# Altium PCB MB1801.PcbDoc (part 1 of 2) (continued)
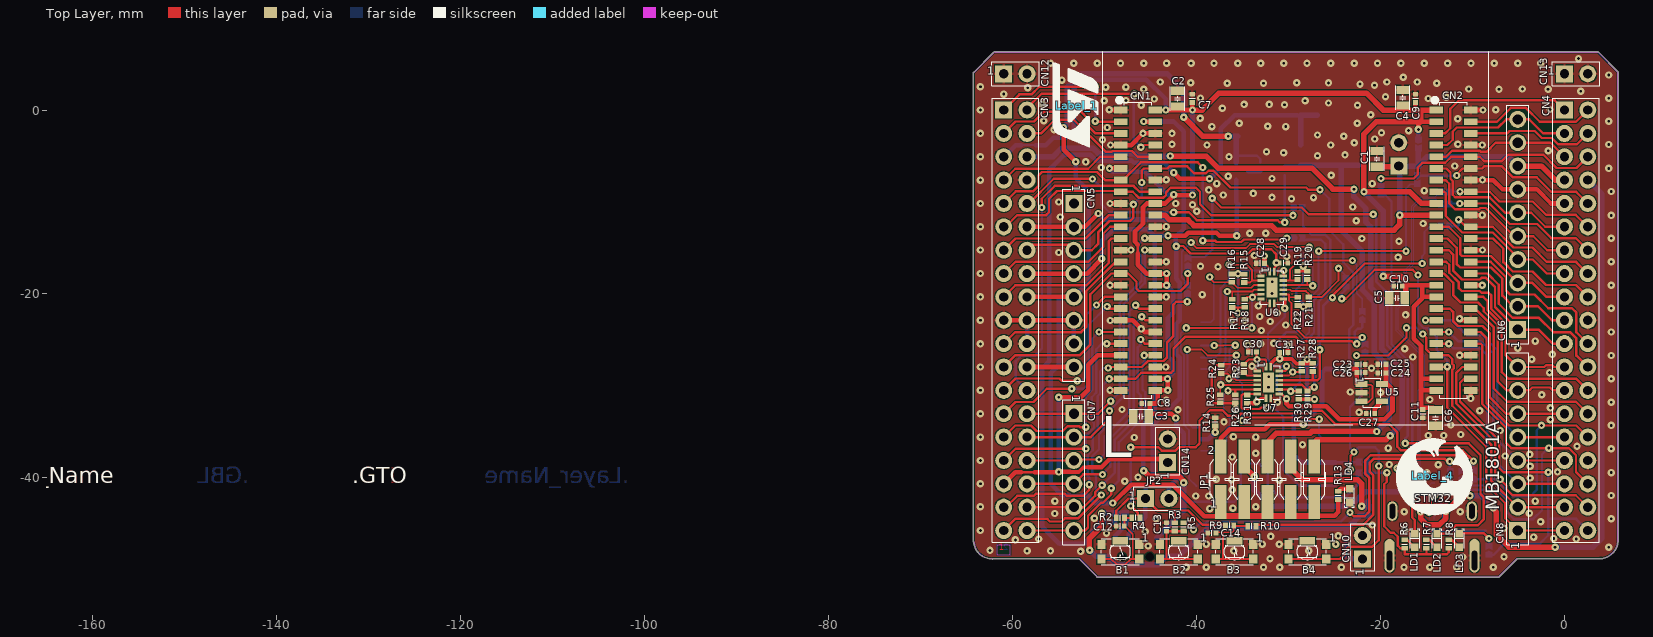
[diagram p0: Top Layer view]
## Footprints (in the part's own frame and the unit in brackets; to place one, negate y for a bottom-side part, rotate by r counter-clockwise, add the part's x,y. Pads: shape width x height; smd on the part's side, far side on the other; paste and mask are expansions set on the pad) (continued)
  silkscreen extent -0.9,-0.8 0.9,0.8, body extent -0.9,-0.8 0.9,0.8, height 0.56
ICC_DFN6-EPAD_3X3_P095 [mm]
  rect 0.45x0.5 smd mask+0.05: 1(-0.95,-1.3) 2(0,-1.3) 3(0.95,-1.3) 4(0.95,1.3) 5(0,1.3) 6(-0.95,1.3)
  rect 2.5x1.7 smd mask+0.05: EP(0,0)
  silkscreen extent -1.55,-1.55 1.55,1.55, body extent -1.55,-1.55 1.55,1.55, height 1
ICC_DHVQFN16-EPAD_SOT763-1_2P5X3P5_H0P85_P050 [mm] "MCD-01945"
  rect 0.3x0.8 smd mask+0.05: 1(-0.25,1.7) 8(-0.25,-1.7) 9(0.25,-1.7) 16(0.25,1.7)
  rect 0.8x0.3 smd mask+0.05: 2(-1.2,1.25) 3(-1.2,0.75) 4(-1.2,0.25) 5(-1.2,-0.25) 6(-1.2,-0.75) 7(-1.2,-1.25) 10(1.2,-1.25) 11(1.2,-0.75) 12(1.2,-0.25) 13(1.2,0.25) 14(1.2,0.75) 15(1.2,1.25)
  rect 1.2x2.2 smd mask+0.05: 17(0,0)
  silkscreen extent -1.3,-1.8 1.3,1.8, body extent -1.31,-1.81 1.31,1.81, height 1.01
LED_0603_VISHAY_VLMB1300-GS08_BLUE_1A2K_H0P8 [mm]
  rect 0.8x0.8 smd mask+0.05: 1(-0.75,0) 2(0.75,0)
  silkscreen extent -0.85,-0.53 1.28,0.53, body extent -0.85,-0.45 0.85,0.45, height 0.8
LED_0603_VISHAY_VLMS1300-GS08_RED_1A2K_H0P8 [mm]
  rect 0.8x0.8 smd mask+0.05: 1(-0.75,0) 2(0.75,0)
  silkscreen extent -0.85,-0.53 1.28,0.53, body extent -0.85,-0.45 0.85,0.45, height 0.8
LED_0603_VISHAY_VLMTG1300-GS08_GREEN_1A2K_H0P8 [mm]
  rect 0.8x0.8 smd mask+0.05: 1(-0.75,0) 2(0.75,0)
  silkscreen extent -0.85,-0.53 1.28,0.53, body extent -0.85,-0.45 0.85,0.45, height 0.8
"LOGO CE" [mm]
  silkscreen extent -3.27,-3.31 4.33,3.3
"LOGO ESD" [mm]
  silkscreen extent -3.23,-2.59 3.66,3.68
LOGO_ST_Size3 [mm]
  silkscreen extent -4.5,-2.36 4.7,2.57
LOGO_STM32 [mm]
  silkscreen extent -3.9,-4.23 4.33,3.95
MOD_STLINK-V3M_MB1467_TYPEC [mm] "STLINK-V3MODS, MB1467 with reserved area to be compatible with Type-C version"
  rect 1.9x1.07 smd paste+0 mask+0.05: 1(7.32,-9.525) 2(7.32,-8.255) 3(7.32,-6.985) 4(7.32,-5.715) 5(7.32,-4.445) 6(7.32,-3.175) 7(7.32,-1.905) 8(7.32,-0.635) 9(7.32,0.635) 10(7.32,1.905) 11(7.32,3.175) 12(7.32,4.445) 13(7.32,5.715) 14(7.32,6.985) 15(7.32,8.255) 16(7.32,9.525) 17(-7.32,9.525) 18(-7.32,8.255) 19(-7.32,6.985) 20(-7.32,5.715) 21(-7.32,4.445) 22(-7.32,3.175) 23(-7.32,1.905) 24(-7.32,0.635) 25(-7.32,-0.635) 26(-7.32,-1.905) 27(-7.32,-3.175) 28(-7.32,-4.445) 29(-7.32,-5.715) 30(-7.32,-6.985) 31(-7.32,-8.255) 32(-7.32,-9.525)
  silkscreen extent -7.62,-20.53 7.62,16.54, body extent -7.62,-20.98 7.62,16.56, height 4.23
PCB_SPECIFICATIONS [mm]
R0402 [mm]
  rect 0.51x0.7 smd mask+0.05: 1(-0.45,0) 2(0.45,0)
  silkscreen extent 0,-0.3 0,0.3, body extent -0.52,-0.3 0.52,0.3, height 0.4
REG_SOT23-5L [mm]
  rect 0.6x1.3 smd mask+0.05: 1(-0.95,-1.1) 2(0,-1.1) 3(0.95,-1.1) 4(0.95,1.1) 5(-0.95,1.1)
  silkscreen extent -1.6,-0.95 1.6,0.97, body extent -1.52,-1.25 1.52,1.25, height 1.1
REG_SOT223-TAB [mm]
  rect 1.5x1.65 smd mask+0.05: 1(-2.3,-3.175) 2(0,-3.175) 3(2.3,-3.175)
  rect 3.5x1.65 smd mask+0.05: 4(0,3.175)
  silkscreen extent -3.35,-2.15 3.35,2.12, body extent -3.35,-3.48 3.35,3.48, height 1.8
Sheetbox_2L2S [mil] "Sheetbox 2 layers / 2 silkscreens"
  round 20 on Mech16: 1(813.78,210.69) 1(2736.9,210.69)
SOLDER-BRIDGE_R0402-0R [mil] "MCD-01619"
  round 10 smd paste-393.7: 1(-17.72,0) 2(20.67,0)
  Top Layer region: 1.48,13.78 8.37,0 1.48,-13.78 30.51,-13.78 30.51,13.78
  Top Layer region: -30.51,-13.78 -30.51,13.78 -8.37,13.78 -1.48,0 -8.37,-13.78
  silkscreen extent -33,-17 33,17, body extent -20,-12 20,12, height 14
STICKER_BOARD_25X5 [mm] "Sticker to mention board reference + serial number"
  silkscreen extent -12.5,-2.5 12.5,2.5, body extent -12.5,-2.5 12.5,2.5, height 0.01
SWI_C&K_Y78B23110FP__ITT_KMR231GLFS [mm] "MCD-00715"
  rect 0.9x1 smd mask+0.05: 1(2.05,0.8) 2(2.05,-0.8) 3(-2.05,0.8) 4(-2.05,-0.8)
  rect 1.7x0.8 smd mask+0.05: 5(0,1.2)
  silkscreen extent -2.05,-1.43 2.05,1.43, body extent -2.3,-1.5 2.3,1.5, height 2.1
SWI_SPDT-RA_TE-CONNECTIVITY_MLL1200S_1P2T [mm] "MCD-02081"
  rect 1x0.8 smd mask+0.05: 0(-3.75,-1.15) 0(-3.75,1.15) 0(3.75,-1.15) 0(3.75,1.15)
  rect 0.7x1.1 smd mask+0.05: 1(-2.25,2.05) 2(0.75,2.05) 3(2.25,2.05)
  round 0 hole 0.9 unplated mask+0.05: NPTH1(-1.5,0) NPTH2(1.5,0)
  silkscreen extent -3.5,-2.9 3.5,1.4, body extent -3.85,-2.9 3.85,2.24, height 1.75

## Part data
B1 B2 B3 B4: library part MCD-01485, "Microminiature Tact Switch for SMT - KMR 2 Series - 1.9 mm height", Manufacturer=C&K, Manufacturer_Part_Number=KMR231GLFS, Component_Country_Of_Origin=France, ComponentLink1URL=http://tunmcdsvn.tun.st.com/Component_Datasheet_Library/Trunk/Misc/C&K_tactile_switch_KMR_series, Internal_Part_Number=MCD-01485, Part_Preference=Recommended, Part_Type=Misc, Status=Released
C1 C2 C3 C4 C5 C6 C19 C21: library part MCD-01550, "Capacitor, MLCC, 1uF, 16V, X5R, +/-10%, 0805, T=0.85mm", Manufacturer=YAGEO, Manufacturer_Part_Number=CC0805KRX5R7BB105, Package=0805, Component_Country_Of_Origin=China, ComponentLink1URL=http://tunmcdsvn.tun.st.com/Component_Documentation_Library/Trunk/Capacitor/YAGEO_X5R_Series, Internal_Part_Number=MCD-01550, Order_Code_Digikey=311-3427-1-ND, Order_Code_Farnell=N/A, Order_Code_RS=N/A, Part_Preference=Recommended, Part_Type=Capacitor, Status=Released
C7 C8 C9 C10 C11 C18 C20 C22 C25 C26 C27 C28 C29 C30 C31: library part MCD-02355, "Capacitor, MLCC, 100nF, 25V, X7R, +/-10%, 0402, T=0.5mm", Manufacturer=WALSIN, Manufacturer_Part_Number=0402B104K250CT, Package=0402, Component_Country_Of_Origin=Unknown, ComponentLink1URL=http://tunmcdsvn.tun.st.com/Component_Documentation_Library/Trunk/Capacitor/WALSIN_Monolithic_Series/, Internal_Part_Number=MCD-02355, Order_Code_Digikey=1292-1175-1-ND, Order_Code_Farnell=2496772, Order_Code_RS=176-3114, Part_Preference=Recommended, Part_Type=Capacitor, Status=Checked
C12 C13 C14: library part MCD-02198, "Capacitor, MLCC, 10nF, 50V, X7R, +/-10%, 0402, T=0.5mm", Manufacturer=YAGEO, Manufacturer_Part_Number=CC0402KRX7R9BB103, Package=0402, Component_Country_Of_Origin=China, ComponentLink1URL=http://tunmcdsvn.tun.st.com/Component_Documentation_Library/Trunk/Capacitor/YAGEO_X7R_Series, Internal_Part_Number=MCD-02198, Order_Code_Digikey=N/A, Order_Code_Farnell=N/A, Order_Code_RS=6169644, Part_Preference=Recommended, Part_Type=Capacitor, Status=Checked
C15: library part MCD-00205, "Capacitor, MLCC, 100pF, 50V, NPO, +/-5%, 0402, T=0.5mm", Manufacturer=YAGEO, Manufacturer_Part_Number=CC0402JRNPO9BN101, Package=0402, Component_Country_Of_Origin=China, ComponentLink1URL=http://tunmcdsvn.tun.st.com/Component_Documentation_Library/Trunk/Capacitor/YAGEO_NP0_Series, Internal_Part_Number=MCD-00205, Order_Code_Digikey=311-1024-1-ND, Order_Code_Farnell=3019226RL, Order_Code_RS=N/A, Part_Preference=Recommended, Part_Type=Capacitor, Status=Released
C16 C17: library part MCD-00324, "Capacitor, Tantalum, 10uF, 25V, 2R5, +/-10%, Type_B (3528 metric), T=1.9mm", Manufacturer=AVX, Manufacturer_Part_Number=TAJB106K025RNJ, Package="3528 (metric)", Component_Country_Of_Origin="El Salvador", ComponentLink1URL=http://tunmcdsvn.tun.st.com/Component_Documentation_Library/Trunk/Capacitor/AVX_TAJ_Series, Internal_Part_Number=MCD-00324, Order_Code_Digikey=478-5257-1-ND, Order_Code_Farnell=2333024, Order_Code_RS=136-0159, Part_Preference=Recommended, Part_Type=Capacitor, Revision="July-2002: Re-released for DXP Platform.", Status=Released
C23 C24: library part MCD-01722, "Capacitor, MLCC, 1uF, 10V, X5R, +/-10%, 0402, T=0.5mm", Manufacturer=YAGEO, Manufacturer_Part_Number=CC0402KRX5R6BB105, Package=0402, Component_Country_Of_Origin=China, ComponentLink1URL=http://tunmcdsvn.tun.st.com/Component_Documentation_Library/Trunk/Capacitor/YAGEO_X5R_Series, Internal_Part_Number=MCD-01722, Order_Code_Digikey=311-1439-1-ND, Order_Code_Farnell=1458896, Order_Code_RS=N/A, Part_Preference=Recommended, Part_Type=Capacitor, Status=Released
CN1 CN2: library part MCD-02705, "Socket 25x2, 1.27mm, SMT, Height 2.29mm", Manufacturer=SAMTEC, ComponentLink1URL=http://tunmcdsvn.tun.st.com/Component_Documentation_Library/Trunk/Connector/SAMTEC_CLP_Series/, Internal_Part_Number=MCD-02705, Manufacturer_Part_Number=CLP-125-02-F-D, Order_Code_Digikey=SAM1153-25-ND, Order_Code_Farnell=2779411, Order_Code_RS=180-3642, Package=CLP-125-02-F-D, Part_Preference=Recommended, Part_Type=Connector, Status=New
CN3 CN4: library part MCD-00213, "Header, 19x2, 2.54mm, VR, TH, T=5.84mm/10.16mm", Manufacturer=SAMTEC, Manufacturer_Part_Number=TSW-119-09-G-D, Component_Country_Of_Origin="China, Costa Rica, Malaysia, United States, Vietnam", ComponentLink1URL=http://tunmcdsvn.tun.st.com/Component_Documentation_Library/Trunk/Connector/SAMTEC_TSW_Series/, Internal_Part_Number=MCD-00213, Order_Code_Digikey=TSW-119-09-G-D-ND, Order_Code_Farnell=3664236, Order_Code_RS=N/A, Part_Preference=Recommended, Part_Type=Connector, Status=Released
CN5 CN8: library part MCD-01743, "Socket, 8x1, 2.54mm, VR, TH, T=8.51/2.64mm", Manufacturer=SAMTEC, Manufacturer_Part_Number=SSW-108-01-G-S, Component_Country_Of_Origin="China, Costa Rica, Malaysia, United States, Vietnam", ComponentLink1URL=http://tunmcdsvn.tun.st.com/Component_Documentation_Library/Trunk/Connector/SAMTEC_SSW-SSQ(TH)_Series/, Internal_Part_Number=MCD-01743, Order_Code_Digikey=SAM1209-08-ND, Order_Code_Farnell=1668363, Order_Code_RS=765-5698, Part_Preference=Recommended, Part_Type=Connector, Status=Released
CN6: library part MCD-02080, "Socket, 10x1, 2.54mm, VR, TH, T=8.51/2.64mm", Manufacturer=SAMTEC, Manufacturer_Part_Number=SSW-110-01-G-S, Component_Country_Of_Origin="China, Costa Rica, Malaysia, United States, Vietnam", ComponentLink1URL=http://tunmcdsvn.tun.st.com/Component_Documentation_Library/Trunk/Connector/SAMTEC_SSW-SSQ(TH)_Series/, Internal_Part_Number=MCD-02080, Order_Code_Digikey=SSW-110-01-G-S-LL-ND, Order_Code_Farnell=1668374, Order_Code_RS=765-5736, Part_Preference=Recommended, Part_Type=Connector, Status=Checked
CN7: library part MCD-02079, "Socket, 6x1, 2.54mm, VR, TH, T=8.51/2.64mm", Manufacturer=SAMTEC, Manufacturer_Part_Number=SSW-106-01-G-S, Component_Country_Of_Origin="China, Costa Rica, Malaysia, United States, Vietnam", ComponentLink1URL=http://tunmcdsvn.tun.st.com/Component_Documentation_Library/Trunk/Connector/SAMTEC_SSW-SSQ(TH)_Series/, Internal_Part_Number=MCD-02079, Order_Code_Digikey=SSW-106-01-G-S-LL-ND, Order_Code_Farnell=1668352, Order_Code_RS=765-5666, Part_Preference=Recommended, Part_Type=Connector, Status=Checked
CN9: library part MCD-02421, "USB_TypeC, 24 pins, RA, SMD, T=3.71mm (USB Certified 3.1)", Manufacturer=MOLEX, Manufacturer_Part_Number=2012670005, Component_Country_Of_Origin=Unknown, ComponentLink1URL=http://tunmcdsvn.tun.st.com/Component_Documentation_Library/Trunk/Connector/MOLEX_201267_Series, Internal_Part_Number=MCD-02421, Order_Code_Digikey=WM17992TR-ND, Order_Code_Farnell=2990523, Order_Code_RS=176-8434, Part_Preference=Recommended, Part_Type=Connector, Status=Checked
CN10 CN11 CN12 CN13 CN14: library part MCD-00032, "Header, 2x1, 2.54mm, VR, TH, T=5.84mm/2.54mm", Manufacturer=SAMTEC, Manufacturer_Part_Number=TSW-102-07-G-S, Component_Country_Of_Origin="China, Costa Rica, Malaysia, United States, Vietnam", ComponentLink1URL=http://tunmcdsvn.tun.st.com/Component_Documentation_Library/Trunk/Connector/SAMTEC_TSW_Series/, Internal_Part_Number=MCD-00032, Order_Code_Digikey=SAM1029-02-ND, Order_Code_Farnell=2505044, Order_Code_RS=155-5312, Part_Preference=Recommended, Part_Type=Connector, Status=Released
HW2: library part MCD-02190, "Sticker board 25x5 mm", Manufacturer=N/A, ComponentLink1URL=N/A, Internal_Part_Number=MCD-02190, Manufacturer_Part_Number=N/A, Order_Code_Digikey=N/A, Order_Code_Farnell=N/A, Order_Code_RS=N/A, Part_Preference=Recommended, Part_Type=Misc, Status=Released
JP1: library part MCD-01230, "Header, 5x2, 2.54mm, VR, SMD, T=5.84mm", Manufacturer=SAMTEC, Manufacturer_Part_Number=TSM-105-01-L-DV, BMS_Part_Number=9183642, Component_Country_Of_Origin="China, Costa Rica, Malaysia, United States, Vietnam", ComponentLink1URL=http://tunmcdsvn.tun.st.com/Component_Documentation_Library/Trunk/Connector/SAMTEC_TSM_Series/, Internal_Part_Number=MCD-01230, Order_Code_Digikey=SAM8984-ND, Order_Code_Farnell=1885917, Order_Code_RS=765-6506, Part_Preference=Recommended, Part_Type=Connector, Status=Checked
JP2: library part MCD-01904, "Header, 2x1, 2.54mm, VR, TH, T=5.84mm/2.54mm", Manufacturer=SAMTEC, Manufacturer_Part_Number=TSW-102-07-G-S, Component_Country_Of_Origin="China, Costa Rica, Malaysia, United States, Vietnam", ComponentLink1URL=http://tunmcdsvn.tun.st.com/Component_Documentation_Library/Trunk/Connector/SAMTEC_TSW_Series/, Internal_Part_Number=MCD-01904, Order_Code_Digikey=SAM1029-02-ND, Order_Code_Farnell=2505044, Order_Code_RS=155-7981, Part_Preference=Recommended, Part_Type=Connector, Status=Checked
LD1: library part MCD-00584, "LED Blue, 0603 SMD, 3.3 V Forward Voltage", Manufacturer=VISHAY, Manufacturer_Part_Number=VLMB1300-GS08, Package="LED 0603", Component_Country_Of_Origin=China, ComponentLink1URL=http://tunmcdsvn.tun.st.com/Component_Datasheet_Library/Trunk/Display/VISHAY_LED_BLUE_VLMB1300-GS08, Internal_Part_Number=MCD-00584, Order_Code_Digikey=VLMB1300-GS08CT-ND, Order_Code_Farnell=2251459, Order_Code_RS=7730430, Part_Preference=Recommended, Part_Type=Display, Status=Released
LD2 LD4: library part MCD-00589, "LED Green, 0603 SMD, Fw Voltage = 2.8V - 3.6V", Manufacturer=VISHAY, Manufacturer_Part_Number=VLMTG1300-GS08, Package="LED 0603", Component_Country_Of_Origin=China, ComponentLink1URL=http://tunmcdsvn.tun.st.com/Component_Datasheet_Library/Trunk/Display/VISHAY_LED_GREEN_VLMTG1300-GS08, Internal_Part_Number=MCD-00589, Order_Code_Digikey=VLMTG1300-GS08CT-ND, Order_Code_Farnell=2251490, Order_Code_RS=7730452, Part_Preference=Recommended, Part_Type=Display, Status=Released
LD3: library part MCD-00587, "LED Red, 0603 SMD, 2V Forward Voltage", Manufacturer=VISHAY, Manufacturer_Part_Number=VLMS1300-GS08, Package="LED 0603", Alternate_Internal_Part_Number=MCD-02401, Component_Country_Of_Origin=China, ComponentLink1URL=http://tunmcdsvn.tun.st.com/Component_Datasheet_Library/Trunk/Display/VISHAY_LED_RED_VLMS1300-GS08, Internal_Part_Number=MCD-00587, Order_Code_Digikey=VLMS1300-GS08CT-ND, Order_Code_Farnell=2078728, Part_Preference=Recommended, Part_Type=Display, Status=Released
M1: library part MCD-01983, "STLINK-V3MODS module", Manufacturer=STMICROELECTRONICS, Manufacturer_HQ_COO=EU, Component_Country_Of_Origin=Unknown, ComponentLink1URL=http://tunmcdsvn.tun.st.com/Component_Datasheet_Library/Trunk/Misc/STM_STLINK-V3MODS, Internal_Part_Number=MCD-01983, Manufacturer_Part_Number=STLINK-V3MODS, Order_Code_Digikey=497-STLINK-V3MODS-ND, Order_Code_Farnell=3381462, Order_Code_RS=200-6065, Part_Preference=Recommended, Part_Type=Misc, Status=Checked
R1 R4 R5 R10 R13: library part MCD-00061, "Resistor, 1K, 0402, +/-1%,1/16W", Manufacturer=YAGEO, Manufacturer_Part_Number=RC0402FR-071KL, Package=0402, Component_Country_Of_Origin=China, ComponentLink1URL=http://tunmcdsvn.tun.st.com/Component_Documentation_Library/Trunk/Resistor/YAGEO_RC_L_Series, Internal_Part_Number=MCD-00061, Order_Code_Digikey=311-1.00KLRCT-ND, Order_Code_Farnell=9239235, Order_Code_RS=N/A, Part_Preference=Recommended, Part_Type=Resistor, Status=Released
R2 R3 R9: library part MCD-00053, "Resistor, 10K, 0402, +/-1%, 1/16W", Manufacturer=YAGEO, Manufacturer_Part_Number=RC0402FR-0710KL, Package=0402, BMS_Part_Number=9131590, Component_Country_Of_Origin=China, ComponentLink1URL=http://tunmcdsvn.tun.st.com/Component_Documentation_Library/Trunk/Resistor/YAGEO_RC_L_Series, Internal_Part_Number=MCD-00053, Order_Code_Digikey=311-10.0KLRCT-ND, Order_Code_Farnell=9239359, Order_Code_RS=N/A, Part_Preference=Recommended, Part_Type=Resistor, Status=Released
R6 R7 R8: library part MCD-00507, "Resistor, 680R, 0402, +/-1%, 1/16W", Manufacturer=YAGEO, Manufacturer_Part_Number=RC0402FR-07680RL, Package=0402, Component_Country_Of_Origin=China, ComponentLink1URL=http://tunmcdsvn.tun.st.com/Component_Documentation_Library/Trunk/Resistor/YAGEO_RC_L_Series, Internal_Part_Number=MCD-00507, Order_Code_Digikey=311-680LRCT-ND, Order_Code_Farnell=9239219, Order_Code_RS=N/A, Part_Preference=Recommended, Part_Type=Resistor, Status=Released
R11 R12: library part MCD-00333, "Resistor, 5K1, 0402, +/-1%, 1/16W", Manufacturer=YAGEO, Manufacturer_Part_Number=RC0402FR-075K1L, Package=0402, Component_Country_Of_Origin=China, ComponentLink1URL=http://tunmcdsvn.tun.st.com/Component_Documentation_Library/Trunk/Resistor/YAGEO_RC_L_Series, Internal_Part_Number=MCD-00333, Order_Code_Digikey=311-5.10KLRCT-ND, Order_Code_Farnell=1458805, Order_Code_RS=N/A, Part_Preference=Recommended, Part_Type=Resistor, Status=Released
R14: library part MCD-00119, "Resistor, 100R, 0402, +/-1%, 1/16W", Manufacturer=YAGEO, Manufacturer_Part_Number=RC0402FR-07100RL, Package=0402, Component_Country_Of_Origin=China, ComponentLink1URL=http://tunmcdsvn.tun.st.com/Component_Documentation_Library/Trunk/Resistor/YAGEO_RC_L_Series, Internal_Part_Number=MCD-00119, Order_Code_Digikey=311-100LRCT-ND, Order_Code_Farnell=9239111, Order_Code_RS=N/A, Part_Preference="Not recommended", Part_Type=Resistor, Status=Checked
R15 R16 R17 R18 R19 R20 R21 R22 R23 R24 R25 R26 R27 R28 R29 R30 R31: library part MCD-00059, "Resistor, 100K, 0402, +/-1%, 1/16W", Manufacturer=YAGEO, Manufacturer_Part_Number=RC0402FR-07100KL, Package=0402, Component_Country_Of_Origin=China, ComponentLink1URL=http://tunmcdsvn.tun.st.com/Component_Documentation_Library/Trunk/Resistor/YAGEO_RC_L_Series, Internal_Part_Number=MCD-00059, Order_Code_Digikey=311-100KLRTR-ND, Order_Code_Farnell=2421891, Order_Code_RS=N/A, Part_Preference=Recommended, Part_Type=Resistor, Status=Released
SB1 SB2 SB3 SB4 SB5 SB6 SB9 SB10 SB11 SB15 SB17 SB18: library part MCD-01618, "Solder Bridge 0402 ON", Manufacturer=YAGEO, Manufacturer_Part_Number=RC0402JR-070RL, Package=SB0402, Component_Country_Of_Origin=China, ComponentLink1URL=http://tunmcdsvn.tun.st.com/Component_Datasheet_Library/Trunk/Resistors/Yageo_Resistor_RC0402-series, Internal_Part_Number=MCD-01618, Order_Code_Digikey=311-0.0JRTR-ND, Order_Code_Farnell=2363467, Order_Code_RS=618-5804, Part_Preference=Recommended, Part_Type=Misc, Status=Released
SB7 SB8 SB12 SB13 SB14 SB16 SB19 SB20 SB21 SB22: library part MCD-02162, "Solder Bridge 0402 OFF", Manufacturer=YAGEO, Manufacturer_Part_Number=RC0402JR-070RL, Package=SB0402, Component_Country_Of_Origin=China, ComponentLink1URL=http://tunmcdsvn.tun.st.com/Component_Datasheet_Library/Trunk/Resistors/Yageo_Resistor_RC0402-series, Internal_Part_Number=MCD-02162, Order_Code_Digikey=311-0.0JRTR-ND, Order_Code_Farnell=2363467, Order_Code_RS=618-5804, Part_Preference=Recommended, Part_Type=Misc, Status=Checked
SW1: library part MCD-02081, "Switch-Slider, 3x1, 1.5mm, RA, SMD, T= 1.65mm", Manufacturer="TE CONNECTIVITY", Manufacturer_Part_Number=MLL1200S, Component_Country_Of_Origin=China, ComponentLink1URL=http://tunmcdsvn.tun.st.com/Component_Documentation_Library/Trunk/Connector/TE_CONNECTIVITY_MLL1200S/, Internal_Part_Number=MCD-02081, Order_Code_Digikey=450-1577-ND, Order_Code_Farnell=2749889, Order_Code_RS=2552311300, Part_Preference=Recommended, Part_Type=Connector, Status=Checked
U1: library part MCD-00649, "Common mode filter with ESD protection for USB 2.0 interface", Manufacturer=STMICROELECTRONICS, Manufacturer_HQ_COO=EU, BMS_Part_Number=9151138, Component_Country_Of_Origin=China, ComponentLink1URL=http://tunmcdsvn.tun.st.com/Component_Datasheet_Library/Trunk/Diodes/STM_ESD_ECMF02-2AMX6, Internal_Part_Number=MCD-00649, Manufacturer_Part_Number=ECMF02-2AMX6, Part_Preference=Recommended, Part_Type=Diode, Status=Released
U2: library part MCD-01207, "High power Transient voltage suppressor:25V/35A EOS and ESD transients protection.", Manufacturer=STMICROELECTRONICS, Manufacturer_HQ_COO=EU, Manufacturer_Part_Number=ESDA25P35-1U1M, Package=QFN1610, BMS_Part_Number=9179045, Component_Country_Of_Origin=China, ComponentLink1URL=http://tunmcdsvn.tun.st.com/Component_Datasheet_Library/Trunk/Diodes/STM_ESD_ESDA25P35-1U1M, Internal_Part_Number=MCD-01207, Part_Preference=Recommended, Part_Type=Diode, Status=Released
U3: library part MCD-00088, "IC REG LDO 5V 0.8A SOT223", Manufacturer=STMICROELECTRONICS, Manufacturer_HQ_COO=EU, Package=SOT-223, BMS_Part_Number=9176133, Component_Country_Of_Origin=China, ComponentLink1URL=http://tunmcdsvn.tun.st.com/Component_Datasheet_Library/Trunk/IC/STM_LDO_LD1117, Internal_Part_Number=MCD-00088, Manufacturer_Part_Number=LD1117S50TR, Part_Preference=Recommended, Part_Type=IC, Status=Released
U4: library part MCD-00215, "Low quiescent current and low noise voltage regulators", Manufacturer=STMICROELECTRONICS, Manufacturer_HQ_COO=EU, Package="DFN6 3x3mm", BMS_Part_Number=9176126, Component_Country_Of_Origin=Malaysia, ComponentLink1URL=http://tunmcdsvn.tun.st.com/Component_Datasheet_Library/Trunk/IC/STM_LDO_LD39050PU, Internal_Part_Number=MCD-00215, Manufacturer_Part_Number=LD39050PU33R, Part_Preference=Recommended, Part_Type=IC, Status=Released
U5: library part MCD-00086, "Ultra low drop-low noise BiCMOS voltage, regulators low ESR capacitors compatible", Manufacturer=STMICROELECTRONICS, Manufacturer_HQ_COO=EU, BMS_Part_Number=9176161, Component_Country_Of_Origin=China, ComponentLink1URL=http://tunmcdsvn.tun.st.com/Component_Datasheet_Library/Trunk/IC/STM_LDO_LD3985, Internal_Part_Number=MCD-00086, Manufacturer_Part_Number=LD3985M33R, Part_Preference=Recommended, Part_Type=IC, Status=Released
U6 U7: library part MCD-01945, "4-bit dual supply translating transceiver with configurable voltage translation; 3-state", Manufacturer=NEXPERIA, Manufacturer_Part_Number=74AVC4TD245BQ,115, Package=DHVQFN16, Component_Country_Of_Origin=Thailand, ComponentLink1URL="http://tunmcdsvn.tun.st.com/Component_Datasheet_Library/Trunk/IC/NEXPERIA_dual supply transceiver_74AVC4TD245", Internal_Part_Number=MCD-01945, Order_Code_Digikey=1727-6899-1-ND, Order_Code_Farnell=N/A, Order_Code_RS=N/A, Part_Preference=Recommended, Part_Type=IC, Status=Released
? ?: library part MCD-01965
Label_1 Label_4 Label_6 Label_7: Silkscreen Only=YES

## Via types
v1: diameter 0.8, hole 0.3, Top Layer to Bottom Layer, tented both sides, 485 vias

## Nets (pads, with @x,y where several pads share a name; then routed paths per layer and width w, separated by ;. In a path a pad name is that pad's centre, name@x,y a point inside that pad or via, vN(x,y) a via of type N, cw(c..) or ccw(c..) an arc to the next point about the centre after c; other vN are vias at no path point)
3V3: C21.2 C22.2 CN3.16 CN5.4 SB19.2 SW1.1 U4.4 | length 97.5
  Top Layer w0.5: CN3.16@-58.42,-17.78 CN5.4@-53.34,-17.78 -51.892,-17.78 -50.343,-16.231 -50.343,-16.104 v1(-50.292,-16.154) ; v1(-43.104,-13.665) -41.237,-13.665 -40.907,-13.335 -37.833,-13.335 -37.503,-13.665 v1(-35.636,-13.665) v1@-35.611,-13.665
  Top Layer w0.6: v1(-45.745,-39.218) -45.161,-39.802 -41.91,-39.802 -41.402,-40.31 v1(-41.402,-40.513)
  Bottom Layer w0.254: -41.402,-42.596 -35.89,-42.596 -35.204,-41.91 -35.204,-39.421 -34.214,-38.43 -33.198,-38.43 -32.258,-39.37 -32.258,-40.767 -30.912,-42.113 -23.845,-42.113 -22.455,-40.723 SB19.2@-22.455,-39.446
  Bottom Layer w0.5: v1@-50.292,-16.18 v1(-50.292,-16.154) -50.292,-14.224 -49.043,-12.975 -45.293,-12.975 -44.552,-13.716 -44.552,-32.969 -45.771,-34.188 -45.771,-39.192 v1(-45.745,-39.218) ; -44.552,-13.675 -43.114,-13.675 v1(-43.104,-13.665) ; U4.4@-35.671,-7.605 -35.671,-10.055 C21.2@-35.419,-10.308 -35.636,-10.525 v1(-35.636,-13.665)
  Bottom Layer w0.6: SW1.1@-44.35,-46.509 -41.402,-43.561 -41.402,-42.596 v1(-41.402,-40.513)
3V3_STLK: C24.2 C25.2 C28.1 C30.1 R15.2 R16.2 R17.2 R18.2 R23.2 R24.2 R25.2 R26.2 U5.5 U6.1 U6.10 U6.15 U7.1 U7.10 U7.15 | length 70.8
  Top Layer w0.254: R24.2@-37.329,-27.751 -37.809,-27.751 -38.329,-28.27 -38.329,-31.664 -38.117,-31.876 -35.584,-31.876 R26.2@-35.564,-31.895 ; R24.2@-37.229,-27.651 -34.855,-27.651 R23.2@-34.846,-27.642 -34.33,-27.126 v1(-33.419,-27.126) ; R17.2@-36.122,-21.474 -35.433,-21.474 ; -35.784,-32.114 -35.738,-32.16 v1(-35.738,-32.537) ; v1(-35.484,-22.073) -35.484,-21.525 -35.433,-21.474 ; R18.2@-34.76,-21.459 -34.87,-21.459 -34.885,-21.474 -35.433,-21.474 ; C30.1@-33.485,-26.336 -33.485,-27.059 v1(-33.419,-27.126) ; C28.1@-32.599,-16.656 -32.04,-17.215 U6.1@-32.04,-17.591 ; U7.1@-32.44,-27.93 -32.44,-27.246 -32.56,-27.126 v1(-33.419,-27.126) ; U7.10@-30.99,-30.88 -30.731,-30.88 v1(-30.214,-31.397) v1@-30.214,-31.598 ; U7.15@-30.99,-28.38 -30.348,-28.38 -30.214,-28.247 v1(-30.214,-27.863) ; U6.10@-30.59,-20.541 -30.353,-20.541 -30.353,-21.488 v1(-30.404,-21.539) ; U6.15@-30.59,-18.041 -30.505,-17.957 v1(-30.505,-17.45) ; U5.5@-19.402,-29.664 U5.5@-19.278,-29.788
  Top Layer w0.5: C28.1@-32.614,-16.642 v1(-32.614,-15.875) ; v1@-30.214,-31.598 -30.214,-31.939 -29.947,-32.207 -25.908,-32.207 -24.486,-33.63 -19.558,-33.63 -18.694,-32.766 -18.694,-30.371 -19.278,-29.788 U5.5@-19.848,-29.788 ; U5.5@-19.402,-29.664 C24.2@-19.402,-28.575 C25.2@-19.402,-27.643
  Bottom Layer w0.254: v1(-35.484,-22.073) v1(-35.484,-17.805) -35.128,-17.45 v1(-30.505,-17.45) -30.505,-21.438 v1(-30.404,-21.539) -30.404,-22.504 -32.234,-24.335 -32.234,-27.126 ; v1(-33.419,-27.126) -32.234,-27.126 ; v1(-30.214,-31.397) -31.283,-30.328 -31.283,-29.074 -30.214,-28.005 v1(-30.214,-27.863) -31.497,-27.863 -32.234,-27.126
  Bottom Layer w0.5: -32.614,-17.297 v1(-32.614,-15.875)
5V: C19.2 C20.2 CN3.18 CN5.5 JP1.1 JP1.3 JP1.5 JP1.7 JP1.9 R13.2 U4.1 U4.6 | length 119
  Top Layer w0.5: CN3.18@-58.42,-20.32 CN5.5@-53.34,-20.32 ; v1(-54.458,-1.905) -54.445,-1.918 -54.445,-4.305 v1(-53.137,-5.613) ; v1(-49.098,-42.723) -47.117,-40.742 -42.596,-40.742 -39.167,-44.171 -37.592,-44.171 -37.553,-44.132 JP1.1@-37.368,-44.132 ; JP1.9@-27.208,-42.621 -27.229,-42.642 -27.229,-44.094 -24.994,-44.094 -24.6,-43.701 R13.2@-24.6,-42.352
  Top Layer w0.6: v1(-41.377,-0.787) -39.3,-2.864 v1(-36.545,-2.864)
  Top Layer w0.686: JP1.1@-37.368,-44.132 JP1.9@-27.257,-44.132
  Bottom Layer w0.254: -35.671,-4.978 -33.426,-4.978 -33.071,-5.333 U4.1@-33.071,-5.705
  Bottom Layer w0.3: -53.775,-41.9 -52.475,-41.9
  Bottom Layer w0.5: -53.775,-41.9 -54.6,-41.9 -55.85,-40.65 -55.85,-28.596 -54.991,-27.737 -54.991,-20.627 -54.684,-20.32 CN5.5@-53.34,-20.32 -51.714,-18.694 -51.714,-8.839 -53.137,-7.417 v1(-53.137,-5.613) ; -52.475,-41.9 -51.894,-41.9 -51.072,-42.723 v1(-49.098,-42.723)
  Bottom Layer w0.6: v1(-54.458,-1.905) -54.051,-1.499 -54.051,2.489 -52.578,3.962 -43.231,3.962 -41.377,2.108 v1(-41.377,-0.787) ; v1(-36.545,-2.864) C19.2@-35.521,-2.864 -35.671,-3.014 C20.2@-35.671,-4.332 -35.671,-4.978 U4.6@-35.671,-5.705
5V_EXT: CN3.6 JP1.10 | length 77.4
  Top Layer w0.6: v1(-42.85,-5.004) -38.964,-5.004 -37.643,-6.325 -27.457,-6.325 -25.171,-8.611 v1(-22.885,-8.611) ; JP1.10@-27.208,-37.671 -27.208,-36.139 -26.909,-35.839 -19.38,-35.839 v1(-18.948,-35.408)
  Bottom Layer w0.6: CN3.6@-58.42,-5.08 -55.601,-5.08 -54.661,-4.14 -51.283,-4.14 -50.673,-4.75 -46.711,-4.75 -46.457,-5.004 v1(-42.85,-5.004) ; v1(-22.885,-8.611) -22.885,-9.423 -21.59,-10.719 -21.59,-12.192 -21.082,-12.7 -21.082,-19.253 -19.888,-20.447 -19.888,-25.933 -17.628,-28.194 -17.628,-34.087 v1(-18.948,-35.408)
5V_INT: C17.1 JP1.6 R1.2 U3.2 U3.4 | length 53.7
  Top Layer w0.6: JP1.6@-32.288,-37.671 -32.288,-36.098 -31.318,-35.128 -27.661,-35.128 -27.483,-34.95 v1(-20.396,-34.95)
  Bottom Layer w0.254: U3.2@-28.788,-6.173 U3.2@-28.671,-6.057
  Bottom Layer w0.5: R1.2@-30.397,-6.173 U3.2@-28.788,-6.173
  Bottom Layer w0.6: U3.2@-28.671,-6.057 -28.646,-6.031 -24.246,-6.031 ; U3.4@-22.347,-6.031 -24.246,-6.031 ; v1(-20.396,-34.95) -19.025,-33.579 -19.025,-28.016 -20.676,-26.365 -20.676,-20.853 -21.971,-19.558 -21.971,-15.392 -24.246,-13.117 C17.1@-24.246,-11.567 -24.246,-6.031
5V_STLK: C23.2 C26.2 JP1.2 M1.22 U5.1 U5.3 | length 27.2
  Top Layer w0.2: U5.3@-21.896,-31.764 -21.325,-31.764 -20.853,-31.293 -20.853,-30.048 -21.037,-29.864 U5.1@-21.896,-29.864
  Top Layer w0.5: JP1.2@-37.368,-37.671 -37.368,-35.69 -36.4,-34.722 -32.588,-34.722 -32.029,-34.163 v1(-28.397,-34.163) ; v1(-23.546,-28.159) -22.572,-28.159 -22.563,-28.169 C26.2@-22.563,-28.55 U5.1@-22.563,-29.787
  Bottom Layer w0.5: v1(-28.397,-34.163) -28.397,-34.036 -26.314,-31.953 -26.314,-28.499 -25.975,-28.159 M1.22@-24.858,-28.159 v1(-23.546,-28.159)
5V_USB_MCU: C15.2 CN4.8 CN9.A4 CN9.A9 CN9.B4 CN9.B9 JP1.4 U2.1 | length 94.3
  Top Layer w0.6: JP1.4@-34.828,-37.671 -34.828,-38.756 v1(-33.719,-39.866) ; v1(-15.642,-43.708) -15.642,-44.403 -14.935,-45.11 -13.614,-45.11 -12.892,-44.388 v1(-12.892,-43.65) -11.178,-41.935 v1(-10.262,-41.935) ; v1(-7.747,-43.256) -7.849,-43.256 -7.391,-43.713 -7.391,-46.175 -6.043,-47.523 v1(-1.016,-47.523)
  Bottom Layer w0.3: U2.1@-18.1,-41.525 U2.1@-17.975,-41.4 ; C15.2@-16.87,-41.4 C15.2@-16.65,-41.4 ; CN9.B4@-15.642,-44.518 v1(-15.642,-43.708) ; CN9.B9@-13.142,-44.518 -13.142,-43.942 -12.892,-43.692 v1(-12.892,-43.65) CN9.A4@-12.892,-42.818
  Bottom Layer w0.5: C15.2@-16.65,-41.4 -15.892,-42.158 -15.892,-42.818 -15.892,-43.458 v1(-15.642,-43.708)
  Bottom Layer w0.6: v1(-33.719,-39.866) -33.719,-41.312 -31.978,-43.053 -23.737,-43.053 -23.433,-42.748 -22.936,-42.748 -21.713,-41.525 U2.1@-18.1,-41.525 ; U2.1@-17.975,-41.4 C15.2@-16.87,-41.4 ; v1@-10.287,-41.935 v1(-10.262,-41.935) -9.068,-41.935 v1(-7.747,-43.256) ; v1(-1.016,-47.523) 3.124,-47.523 4.064,-46.584 4.064,-9.144 CN4.8@2.54,-7.62
B1: R4.2 SB2.2 | length 53.6
  Top Layer w0.254: v1(-47.142,-43.053) -47.117,-43.053 -46.406,-43.764 -46.406,-44.059 R4.2@-46.141,-44.324 ; v1(-47.142,-36.652) -44.171,-36.652 -43.79,-37.033 -42.281,-37.033 -41.9,-36.652 -40.081,-36.652 -39.675,-36.246 -39.675,-33.782 -38.532,-32.639 -37.186,-32.639 -36.601,-33.223 -35.382,-33.223 -35.154,-32.995 -27.737,-32.995 -27.432,-32.69 -26.365,-32.69 -24.892,-34.163 -19.043,-34.163 -18.161,-35.045 -18.161,-36.601 -17.755,-37.008 -11.049,-37.008 v1(-9.884,-38.173)
  Bottom Layer w0.254: v1(-47.142,-43.053) v1(-47.142,-36.652) v1@-47.142,-36.551 ; v1@-9.982,-38.075 v1(-9.884,-38.173) SB2.2@-9.884,-39.147
B2: R5.2 SB4.2 | length 39.5
  Top Layer w0.254: R5.2@-41.408,-44.869 -41.135,-44.869 -40.335,-45.669 v1(-40.335,-45.644) ; v1(-23.317,-43.764) -22.911,-44.171 -21.714,-44.171 -21.203,-43.66 -21.203,-40.011 -21.641,-39.573 -21.641,-38.1 -21.057,-37.516 -11.782,-37.516 v1(-11.122,-38.176)
  Bottom Layer w0.254: v1(-40.335,-45.644) -39.662,-44.971 -39.061,-44.971 -38.82,-44.729 -24.282,-44.729 v1(-23.317,-43.764) ; SB4.2@-11.123,-39.172 -11.123,-38.178 v1(-11.122,-38.176)
B3: R10.2 SB6.2 | length 29.4
  Top Layer w0.254: R10.2@-33.539,-45.232 -33.387,-45.08 -21.845,-45.08 -20.803,-44.038 -20.803,-39.675 -21.184,-39.294 -21.184,-38.379 -20.701,-37.897 -13.056,-37.897 -12.471,-38.481 v1(-12.471,-38.204)
  Bottom Layer w0.254: SB6.2@-12.471,-39.138 v1(-12.471,-38.204)
GND: B1.1 B1.3 B2.1 B2.3 B3.1 B3.3 B4.1 B4.3 C1.1 C2.1 C3.1 C4.1 C5.1 C6.1 C7.1 C8.1 C9.1 C10.1 C11.1 C12.1 C13.1 C14.1 C15.1 C16.2 C17.2 C18.1 C19.1 C20.1 C21.1 C22.1 C23.1 C24.1 C25.1 C26.1 C27.1 C28.2 C29.1 C30.2 C31.1 CN1.1 CN1.6 CN1.7 CN1.14 CN1.17 CN1.22 CN1.25 CN1.28 CN1.31 CN1.34 CN1.37 CN1.40 CN1.46 CN1.49 CN2.2 CN2.8 CN2.14 CN2.20 CN2.26 CN2.32 CN2.38 CN2.44 CN2.50 CN3.8 CN3.19 CN3.20 CN3.22 CN4.9 CN4.20 CN4.32 CN5.6 CN5.7 CN6.7 CN9.A1 CN9.A12 CN9.B1 CN9.B12 CN9.SH1 CN9.SH2 CN9.SH3 CN9.SH4 CN10.2 CN11.2 CN12.1 CN12.2 CN13.1 CN13.2 CN14.2 LD4.2 M1.8 M1.24 M1.26 M1.27 M1.29 R11.1 R12.1 R14.1 R31.2 SW1.0 U1.3 U2.2 U3.1 U4.2 U4.EP U5.2 U6.2 U6.7 U6.8 U6.9 U6.17 U7.2 U7.8 U7.9 U7.17 | length 61.5
  Top Layer w0.254: v1(-33.964,-27.847) U7.2@-33.431,-28.38 ; v1(-33.435,-31.718) -33.047,-31.33 U7.8@-32.44,-31.33
  Top Layer w0.5: CN3.19@-60.96,-22.86 CN3.20@-58.42,-22.86 CN5.6@-53.34,-22.86 ; v1(-49.479,0.025) -49.479,0 CN1.1@-48.225,0 ; v1(-49.403,-30.455) -49.378,-30.48 CN1.49@-48.225,-30.48 ; v1(-49.403,-19.05) CN1.31@-48.225,-19.05 ; v1(-49.403,-10.16) CN1.17@-48.225,-10.16 ; v1(-49.378,-22.885) -49.352,-22.86 CN1.37@-48.225,-22.86 -46.94,-22.86 -45.67,-24.13 CN1.40@-44.485,-24.13 ; v1(-49.352,-3.81) CN1.7@-48.225,-3.81 -47.092,-3.81 v1(-45.822,-2.54) CN1.6@-44.485,-2.54 ; CN1.25@-48.225,-15.24 -48.21,-15.225 v1(-47.117,-15.225) ; CN1.34@-44.485,-20.32 v1(-43.282,-20.32) v1@-43.256,-20.32 ; CN1.28@-44.485,-16.51 -43.256,-16.51 v1(-43.282,-16.485) ; CN1.22@-44.485,-12.7 -43.256,-12.7 v1(-43.282,-12.675) ; CN1.14@-44.485,-7.62 -43.282,-7.62 v1(-43.282,-7.595) ; R31.2@-34.491,-31.892 -33.61,-31.892 v1(-33.435,-31.718) ; v1(-34.414,-25.522) -34.385,-25.551 C30.2@-34.385,-26.336 ; v1(-30.089,-25.572) -30.06,-25.601 C31.1@-30.06,-26.362 ; v1(-11.4,-26.67) CN2.44@-10.195,-26.67 ; v1(-11.4,-22.675) -11.215,-22.86 CN2.38@-10.195,-22.86 ; CN2.50@-10.195,-30.48 -10.175,-30.5 v1(-10.175,-31.35) ; CN2.32@-10.195,-19.05 v1(-8.944,-19.05) ; CN2.26@-10.195,-15.24 -8.92,-15.24 v1(-8.905,-15.225) ; CN2.20@-10.195,-11.43 -8.949,-11.43 v1(-8.944,-11.425) ; CN2.14@-10.195,-7.62 -7.755,-7.62 -6.739,-8.636 CN6.7@-5.08,-8.636 -2.989,-8.636 -1.465,-10.16 CN4.9@0,-10.16 ; CN2.8@-10.195,-3.81 v1(-8.944,-3.81) ; CN2.2@-10.195,0 v1(-8.85,0) v1@-8.775,0
  Bottom Layer w0.5: CN3.22@-58.42,-25.4 CN3.20@-58.42,-22.86 ; CN5.7@-53.34,-25.4 CN5.6@-53.34,-22.86 ; U4.EP@-34.371,-6.655 U4.2@-33.071,-6.655
  other v1: -41.123,-49.709 -38.938,-49.709 -36.195,-49.709 -32.715,-49.709 -30.96,-49.709 -27.94,-49.709 -24.246,-49.709 -17.442,-49.709 -14.642,-49.709 -11.709,-49.709 -7.747,-49.709 -32.004,-48.793 -11.049,-48.59 -6.579,-48.559 -52.603,-47.988 -58.42,-47.93 -55.88,-47.93 -35.941,-47.93 -27.788,-47.904 -62.459,-47.879 4.826,-47.523 -45.263,-47.396 -31.013,-47.222 -38.938,-47.193 -32.842,-47.193 -59.69,-46.736 -57.15,-46.634 1.295,-46.634 -1.168,-46.584 -3.353,-46.431 -31.928,-46.355 -24.587,-46.304 -49.784,-46.025 -45.593,-45.822 -63.5,-45.72 -17.374,-45.669 -6.579,-45.466 -20.879,-45.11 -2.591,-44.755 -44.374,-44.425 5.08,-44.425 -51.105,-44.374 -55.423,-43.866 -3.81,-43.84 -17.425,-43.675 -11.317,-43.683 -38.557,-43.332 -36.043,-43.282 -63.5,-43.129 -33.553,-43.129 -55.397,-42.52 -3.175,-42.52 -40.081,-41.961 -38.684,-41.961 5.08,-41.91 -36.119,-41.3 -63.5,-40.64 -47.803,-40.361 -30.988,-40.234 -36.195,-40.183 -37.871,-40.132 -3.734,-40.005 -46.355,-39.929 -16.764,-39.548 -14.935,-39.446 5.08,-39.421 -0.762,-39.345 -3.734,-38.735 -13.716,-38.557 -19.05,-38.532 -63.5,-38.1 -36.119,-37.719 -6.452,-37.617 -3.759,-37.44 -33.553,-37.313 5.08,-36.825 -19.152,-36.754 1.372,-36.551 -28.473,-36.373 -46.761,-35.611 -63.5,-35.56 -33.553,-35.56 -35.992,-35.535 -14.808,-35.382 -13.132,-35.382 -11.278,-35.281 -6.985,-34.849 5.08,-34.29 -12.344,-34.239 -37.008,-33.909 -1.524,-33.655 -63.5,-33.02 -22.327,-32.868 -9.22,-32.69 -42.012,-32.578 -48.1,-32.553 -1.524,-32.385 -31.189,-31.767 5.08,-31.767 -43.282,-31.547 -14.63,-31.471 -2.464,-30.963 -19.99,-30.709 -23.292,-30.658 -63.5,-30.455 -32.182,-30.15 5.08,-29.21 -32.156,-29.007 -1.626,-28.55 -20.98,-28.067 -63.5,-27.94 -43.358,-27.94 -3.556,-27.102 -16.485,-26.848 5.08,-26.695 -1.321,-26.568 -17.374,-25.959 -5.08,-25.883 -63.5,-25.425 -33.02,-25.425 -31.598,-25.375 -3.175,-25.121 5.08,-24.13 -32.944,-23.978 -45.999,-23.8 -30.302,-23.368 -31.979,-22.987 -36.195,-22.885 -34.771,-22.885 -63.5,-22.85 -29.032,-22.475 -33.122,-22.454 -17.272,-22.276 -31.191,-22.073 5.08,-21.539 -33.275,-21.311 -63.5,-20.32 -39.37,-20.066 -31.79,-19.939 5.08,-19.05 -31.775,-18.669 -63.5,-17.78 -37.668,-17.043 -39.573,-16.993 5.08,-16.485 -18.085,-16.002 -30.175,-15.926 -33.706,-15.824 -54.966,-15.494 -63.5,-15.215 -17.983,-14.275 -22.022,-13.97 5.08,-13.945 -34.214,-13.386 -32.487,-13.386 -63.5,-12.7 -15.367,-12.344 -22.631,-12.04 -54.813,-11.633 5.08,-11.455 -39.98,-10.998 -23.012,-10.541 -40.437,-10.308 -63.5,-10.16 -42.266,-10.16 -54.991,-10.008 -29.667,-9.652 -27.28,-9.525 -31.79,-9.5 -37.084,-9.246 -33.821,-9.068 5.08,-8.859 -15.24,-8.763 -38.659,-8.687 -37.795,-8.001 -20.904,-8.001 -63.5,-7.62 -8.905,-7.595 -31.79,-7.442 -36.545,-7.188 -25.349,-7.087 4.826,-6.35 -50.368,-6.248 -11.938,-6.093 -52.045,-5.639 -63.5,-5.08 -36.474,-5.08 -26.848,-4.978 -23.851,-4.877 -30.531,-4.648 -32.385,-4.547 -1.75,-4.42 -38.862,-3.81 -25.4,-3.81 4.826,-3.757 -42.672,-3.734 -11.582,-3.734 -22.86,-3.556 -50.216,-3.226 -20.632,-3.15 -52.705,-2.946 -24.003,-2.845 -26.848,-2.718 -63.5,-2.54 -42.672,-2.54 -19.888,-2.464 -16.942,-2.235 -55.499,-2.134 -49.708,-1.905 -38.329,-1.803 -30.302,-1.803 -32.258,-1.778 -35.357,-1.448 -22.53,-1.448 4.826,-1.225 -56.617,-1.168 -11.608,-0.94 -39.599,-0.889 -21.057,-0.508 -63.5,0 -7.468,0.025 -1.575,0.051 -37.186,0.203 -45.999,0.508 -22.504,0.508 -30.429,0.584 -34.828,0.61 -32.106,0.61 -56.769,0.635 -52.095,0.737 -25.654,0.762 -55.169,0.838 -50.038,1.016 -28.194,1.016 -47.676,1.041 -44.602,1.194 -14.808,1.245 4.826,1.27 -39.573,1.295 -12.852,1.372 -19.456,1.448 -60.96,1.727 1.778,2.032 -45.745,2.261 -7.112,2.261 -1.778,2.261 -10.414,2.286 -4.572,2.286 -58.344,2.413 -49.86,2.464 -47.676,2.489 -63.5,2.525 -20.65,2.692 -22.225,2.819 -36.652,2.921 -32.715,2.921 -13.892,2.921 -25.654,2.946 -40.64,2.972 -29.108,2.972 -43.942,3.048 -19.304,3.048 -16.002,3.048 -54.635,3.251 -17.526,3.556 4.826,3.81 -55.88,5.08 -53.34,5.08 -50.8,5.08 -48.26,5.08 -45.745,5.08 -43.256,5.08 -40.589,5.08 -38.1,5.08 -35.521,5.08 -33.02,5.08 -30.505,5.08 -27.989,5.08 -25.4,5.08 -22.86,5.08 -20.32,5.08 -17.78,5.08 -15.24,5.08 -12.7,5.08 -10.16,5.08 -7.62,5.08 -5.08,5.08 -2.591,5.08 1.524,5.588
GPIO0: CN1.3 CN3.1 | length 17.6
  Top Layer w0.254: CN3.1@-60.96,0 -59.26,1.7 -57.925,1.7 -57.1,2.525 v1(-51.025,2.525) ; v1(-51.005,-1.225) -51.05,-1.27 CN1.3@-48.225,-1.27
  Bottom Layer w0.254: v1(-51.025,2.525) -51.025,-1.205 v1(-51.005,-1.225)
GPIO1: CN1.5 CN3.3 | length 15.1
  Top Layer w0.254: CN3.3@-60.96,-2.54 -59.665,-1.245 -57.658,-1.245 -56.588,-0.175 -52.575,-0.175 -51.9,-0.85 -51.9,-1.625 -50.985,-2.54 CN1.5@-48.225,-2.54
GPIO2: CN1.8 CN3.2 | length 20.5
  Top Layer w0.254: CN3.2@-58.42,0 -58.42,0.205 -56.847,1.778 v1@-46.761,1.778 ; v1(-46.05,-4.039) -45.974,-4.115 -45.669,-3.81 CN1.8@-44.485,-3.81 CN1.8@-44.459,-3.835
  Bottom Layer w0.254: v1(-46.761,1.727) -46.812,1.778 -46.812,-3.277 v1(-46.05,-4.039)
GPIO3/BOOT0: CN1.9 CN3.7 | length 13.8
  Top Layer w0.254: CN3.7@-60.96,-7.62 -59.715,-6.375 -51.775,-6.375 -50.48,-5.08 CN1.9@-48.225,-5.08
GPIO4: CN1.10 CN3.4 | length 16.3
  Top Layer w0.254: CN3.4@-58.42,-2.54 -56.896,-2.54 -55.423,-1.067 -53.34,-1.067 -49.857,-4.55 -49.25,-4.55 -49.158,-4.458 -47.027,-4.458 -46.406,-5.08 CN1.10@-44.485,-5.08
GPIO5/JTMS/SWDIO: CN1.13 CN3.9 SB17.1 | length 43.5
  Top Layer w0.254: CN3.9@-60.96,-10.16 -59.65,-8.85 -57.775,-8.85 -57.175,-8.25 -57.175,-7.112 -56.794,-6.731 -50.829,-6.731 -49.94,-7.62 CN1.13@-48.225,-7.62 -47.981,-7.62 -46.05,-5.69 -39.878,-5.69 v1(-39.319,-6.248) ; v1(-39.319,-14.199) -37.973,-14.199 -37.821,-14.351 -35.128,-14.351 -34.849,-14.072 -30.328,-14.072 v1(-30.175,-13.919)
  Bottom Layer w0.254: v1(-39.319,-14.199) v1@-39.167,-14.199 ; v1(-39.319,-6.248) -39.319,-14.046 v1@-39.167,-14.199 ; v1@-39.141,-14.224 v1@-39.167,-14.199 ; v1(-30.175,-13.919) -30.157,-13.901 SB17.1@-29.386,-13.901
GPIO6/JTCK/SWCLK: CN1.15 CN3.11 SB15.1 | length 37.5
  Top Layer w0.254: CN3.11@-60.96,-12.7 -60.75,-12.7 -59.48,-11.43 -56.355,-11.43 -56.032,-11.107 -56.032,-9.652 -55.18,-8.8 CN1.15@-48.425,-8.8 ; CN1.15@-48.225,-8.89 -46.935,-8.89 -46.3,-9.525 -43.586,-9.525 -43.32,-9.258 -43.32,-8.954 -42.824,-8.458 -40.056,-8.458 -39.624,-8.89 -39.624,-10.236 -38.405,-11.455 v1(-29.515,-11.455)
  Bottom Layer w0.254: v1(-29.515,-11.455) -29.406,-11.346 SB15.1@-29.406,-10.608
GPIO7: CN1.16 CN3.26 | length 36.5
  Top Layer w0.254: v1(-56.82,-10.592) -56.82,-9.652 -55.418,-8.25 -46.843,-8.25 -46.203,-8.89 CN1.16@-44.485,-8.89
  Bottom Layer w0.254: CN3.26@-58.42,-30.48 -59.65,-29.25 -59.65,-27.325 -59.05,-26.725 -57.6,-26.725 -56.8,-25.925 v1@-56.8,-10.9 ; v1(-56.82,-10.592) v1@-56.543,-10.592
GPIO8: CN1.19 CN3.13 | length 14.3
  Top Layer w0.254: CN3.13@-60.96,-15.24 -59.69,-13.97 -52.07,-13.97 -49.53,-11.43 CN1.19@-48.225,-11.43
GPIO9: CN1.21 CN3.15 | length 15.7
  Top Layer w0.254: CN3.15@-60.96,-17.78 -59.68,-16.5 -51.755,-16.5 -50.14,-14.884 -50.14,-13.462 -49.378,-12.7 CN1.21@-48.225,-12.7
GPIO10: CN1.23 CN3.17 | length 16.7
  Top Layer w0.254: CN3.17@-60.96,-20.32 -59.69,-19.05 -51.968,-19.05 -49.53,-16.612 -49.53,-14.249 -49.251,-13.97 CN1.23@-48.225,-13.97
GPIO11: CN1.24 CN3.28 CN7.1 | length 30.6
  Top Layer w0.254: CN3.28@-58.42,-33.02 CN7.1@-53.34,-33.02 -50.698,-33.02 v1(-49.327,-31.648) ; v1@-45.72,-13.97 CN1.24@-44.485,-13.97
  Bottom Layer w0.254: v1@-49.4,-31.744 v1@-49.327,-31.671 ; v1(-49.327,-31.648) v1@-49.327,-31.671 ; v1(-45.618,-13.945) -46.327,-14.653 -46.327,-15.56 -45.974,-15.913 -45.974,-18.593 -48.336,-20.955 -48.336,-30.68 v1@-49.327,-31.671
GPIO12: CN1.26 CN3.30 CN7.2 | length 30.9
  Top Layer w0.254: CN3.30@-58.42,-35.56 CN7.2@-53.34,-35.56 -51.51,-35.56 -49.454,-33.504 v1(-49.454,-32.69) ; v1(-45.618,-15.215) -45.618,-15.282 -45.6,-15.3 -45.54,-15.24 CN1.26@-44.485,-15.24
  Bottom Layer w0.254: v1(-49.454,-32.69) -47.925,-31.161 -47.925,-21.128 -45.618,-18.821 v1(-45.618,-15.215)
GPIO13: CN1.27 CN3.21 | length 18.7
  Top Layer w0.254: CN3.21@-60.96,-25.4 -59.71,-24.15 -52.55,-24.15 -51.979,-23.579 -51.979,-19.67 -48.819,-16.51 CN1.27@-48.225,-16.51

## Text inside footprints (layer, text, board x,y; h text height)
CN12: M14-Top Assembly "1" at -61.215,3.412 h1.5; Top Overlay "1" at -62.765,3.487 h1.5
CN13: M14-Top Assembly "1" at -0.255,3.412 h1.5; Top Overlay "1" at -1.805,3.487 h1.5
CN14: M14-Top Assembly "1" at -42.61,-38.574 h1.5 r90; Top Overlay "1" at -42.685,-40.124 h1.5 r90
HW2: M15-Bottom Assembly "Board 25x5 sticker" at -39.266,1.802 h1.2; Bottom Overlay "Board 25x5 sticker" at -39.266,1.814 h1.2
JP1: M14-Top Assembly "10" at -27.643,-37.521 h1; M14-Top Assembly "1" at -37.568,-43.746 h1; M14-Top Assembly "9" at -27.593,-43.746 h1; M14-Top Assembly "2" at -37.718,-37.521 h1; Top Overlay "2" at -38.765,-37.733 h1.5; Top Overlay "1" at -38.511,-43.575 h1.5
JP2: M14-Top Assembly "1" at -45.796,-42.762 h1.5; Top Overlay "1" at -47.346,-42.687 h1.5
Label_4: Top Overlay "STM32" at -16.348,-42.975 h1.5
LD1: M14-Top Assembly "K" at -16.016,-45.9 h0.75 r90
LD2: M14-Top Assembly "K" at -13.602,-45.9 h0.75 r90
LD3: M14-Top Assembly "K" at -11.174,-45.9 h0.75 r90
LD4: M14-Top Assembly "K" at -23.605,-42.831 h0.75 r270
M1: M15-Bottom Assembly "1" at -38.922,-41.243 h1.3; M15-Bottom Assembly "16" at -38.231,-22.153 h1.3; M15-Bottom Assembly "17" at -24.973,-22.24 h1.3; M15-Bottom Assembly "32" at -25.02,-41.244 h1.3; M15-Bottom Assembly "MB1467" at -30.146,-45.482 h1.5; Bottom Overlay "1" at -40.56,-41.316 h0.81; Bottom Overlay "16" at -40.593,-21.985 h0.81; Bottom Overlay "17" at -23.034,-21.784 h0.81; Bottom Overlay "32" at -23.06,-41.037 h0.81; Bottom Overlay "MB1467" at -30.202,-45.507 h1.5; M8-Bottom Info "PCB EDGE" at -19.499,-52.002 h1.5; M8-Bottom Info "OF HOST BOARD" at -38.007,-51.976 h1.5
SW1: M15-Bottom Assembly "GND" at -42.7,-49.726 h0.25; M15-Bottom Assembly "2" at -47.2,-46.684 h0.7; M15-Bottom Assembly "GND" at -50,-47.576 h0.25; M15-Bottom Assembly "1" at -44.225,-46.884 h0.7; M15-Bottom Assembly "GND" at -50,-49.726 h0.25; M15-Bottom Assembly "COM" at -46.95,-47.059 h0.4; M15-Bottom Assembly "3" at -48.7,-46.884 h0.7; M15-Bottom Assembly "GND" at -42.7,-47.576 h0.25; Bottom Overlay "1" at -43.5,-46.934 h1.5; Bottom Overlay "C" at -46.025,-46.934 h1.5; Bottom Overlay "3" at -49.325,-46.934 h1.5
U1: M15-Bottom Assembly "6" at -14.316,-41.15 h0.5 r270; M15-Bottom Assembly "5" at -14.316,-40.65 h0.5 r270; M15-Bottom Assembly "4" at -14.308,-40.16 h0.5 r270; M15-Bottom Assembly "3" at -15.491,-40.15 h0.5 r270; M15-Bottom Assembly "2" at -15.491,-40.65 h0.5 r270; M15-Bottom Assembly "1" at -15.491,-41.125 h0.5 r270; Bottom Overlay "1" at -15.841,-41.85 h1.3 r270
U2: M15-Bottom Assembly "K" at -18.425,-41.7 h1 r270
U3: M15-Bottom Assembly "4" at -23.121,-6.382 h1.5 r270; M15-Bottom Assembly "1" at -28.846,-8.557 h1.5 r270; M15-Bottom Assembly "2" at -28.871,-6.407 h1.5 r270; M15-Bottom Assembly "3" at -28.896,-4.107 h1.5 r270; Bottom Overlay "1" at -28.796,-9.582 h1.5 r270
U4: Bottom Overlay "1" at -32.646,-4.63 h1.5 r90
U5: Top Overlay "1" at -22.998,-29.013 h1.5 r270
U6: M14-Top Assembly "1" at -31.99,-17.591 h0.4 r180; M14-Top Assembly "15" at -30.565,-18.216 h0.4 r90; M14-Top Assembly "10" at -30.565,-20.716 h0.4 r90; M14-Top Assembly "9" at -31.615,-20.966 h0.4; M14-Top Assembly "8" at -32.115,-20.966 h0.4; M14-Top Assembly "7" at -32.99,-20.466 h0.4 r270; M14-Top Assembly "2" at -32.965,-17.966 h0.4 r270; M14-Top Assembly "16" at -31.365,-17.591 h0.4 r180; M14-Top Assembly "17" at -31.965,-19.416 h0.4; Top Overlay "1" at -33.19,-17.041 h1.4 r270
U7: M14-Top Assembly "1" at -32.39,-27.93 h0.4 r180; M14-Top Assembly "15" at -30.965,-28.555 h0.4 r90; M14-Top Assembly "10" at -30.965,-31.055 h0.4 r90; M14-Top Assembly "9" at -32.015,-31.305 h0.4; M14-Top Assembly "8" at -32.515,-31.305 h0.4; M14-Top Assembly "7" at -33.39,-30.805 h0.4 r270; M14-Top Assembly "2" at -33.365,-28.305 h0.4 r270; M14-Top Assembly "16" at -31.765,-27.93 h0.4 r180; M14-Top Assembly "17" at -32.365,-29.755 h0.4; Top Overlay "1" at -33.59,-27.38 h1.4 r270
?: Drill Drawing "PCB SPECIFICATIONS :" at -181.118,97.778 h3; Drill Drawing "A.   MATERIAL :" at -181.118,93.778 h3; Drill Drawing "B.   MATERIAL FAMILY :" at -181.118,90.778 h3; Drill Drawing "C.   SOLDERMASK COLOR :" at -181.118,87.778 h3; Drill Drawing "D.   SILKSCREEN COLOR :" at -181.118,84.778 h3; Drill Drawing "E.   SURFACE FINISH :" at -181.118,81.778 h3; Drill Drawing "GREEN" at -142.618,87.778 h3; Drill Drawing "N/A" at -142.618,90.778 h3; Drill Drawing "FR-4" at -142.618,93.778 h3; Drill Drawing "X  BLUE" at -142.618,84.778 h3; Drill Drawing "X  ENIG" at -142.618,81.778 h3; Drill Drawing "HASL" at -142.618,78.778 h3; Drill Drawing "X    NO" at -142.618,75.778 h3; Drill Drawing "PLUG THE VIAS WHICH ARE COVERED WITH SOLDERMASK ONE OR TWO SIDE." at -142.618,72.778 h3; Drill Drawing "PLUG MATERIAL :" at -142.618,69.778 h3; Drill Drawing "G.   THROUGH VIA :" at -181.118,72.778 h3; Drill Drawing "F.   IMPEDANCE CONTROL :" at -181.118,75.778 h3; Drill Drawing "SEE LAYER STACK-UP SEQUENCE FOR OVERALL THICKNESS." at -142.618,66.778 h3; Drill Drawing "H.   STACK-UP :" at -181.118,66.778 h3; Drill Drawing "X  SOLDERMASK" at -117.118,69.778 h3; Drill Drawing "NON-CONDUCTIVE EPOXY." at -91.868,69.778 h3; Drill Drawing "YES  (SEE IMPEDANCE TABLE FOR DETAIL INFORMATION)" at -124.878,75.939 h3; Drill Drawing "HASL (PB-FREE)" at -126.118,78.778 h3; Drill Drawing "IMMERSION SILVER" at -126.118,81.778 h3; Drill Drawing "YELLOW" at -126.118,84.778 h3; Drill Drawing "X  WHITE" at -126.118,87.778 h3; Drill Drawing "RED" at -107.868,87.778 h3; Drill Drawing "BLACK" at -107.868,84.778 h3; Drill Drawing "BLACK" at -91.868,87.778 h3; Drill Drawing "IMMERSION TIN" at -91.868,81.778 h3; Drill Drawing "GOLDEN FINGER" at -91.868,78.778 h3; Drill Drawing "TG-140" at -91.868,93.778 h3; Drill Drawing "TG-150" at -107.868,93.778 h3; Drill Drawing "X  TG-170" at -126.118,93.778 h3
?: M20-Top Title Box "Variant: '.VariantName'" at -181.473,-46.157 h3; M20-Top Title Box "Gerber:" at -141.485,-41.157 h3; M20-Top Title Box "Layer:" at -181.473,-41.157 h3; M20-Top Title Box "R" at -95.977,-48.64 h1.52; M20-Top Title Box "Date: '.Board_Document_Date'" at -181.473,-51.157 h3; M20-Top Title Box "Ref: '.Board_Reference'" at -141.358,-46.157 h3; M20-Top Title Box "Rev: '.Board_PCB_Revision'" at -141.415,-51.157 h3; M20-Top Title Box "Project: '.Board_Name'" at -181.473,-36.073 h3; M21-Bottom Title Box "Project: '.Board_Name'" at -93.668,-36.073 h3; M21-Bottom Title Box "Rev: '.Board_PCB_Revision'" at -133.599,-51.157 h3; M21-Bottom Title Box "Ref: '.Board_Reference'" at -133.656,-46.157 h3; M21-Bottom Title Box "Date: '.Board_Document_Date'" at -93.668,-51.157 h3; M21-Bottom Title Box "R" at -178.783,-48.64 h1.52; M21-Bottom Title Box "Layer:" at -93.668,-41.157 h3; M21-Bottom Title Box "Gerber:" at -133.656,-41.157 h3; M21-Bottom Title Box "Variant: '.VariantName'" at -93.668,-46.157 h3